# Altium PCB 3-as-manufactured.PcbDoc (part 3 of 16)
Units mil, origin at the board's own origin, x right, y up, seen from the top; angles counter-clockwise.
Board outline 4130.55 x 4250 mil, 8 copper layers (L1_TOP, L2_GND, L3_INT, L4_PWR, L5_PWR, L6_INT, L7_GND, L8_BOT), stack 61 mil thick; 584 components, 489 nets, 2229 pads, 1894 vias.
Unrouted connection lines stored in the file: 4.
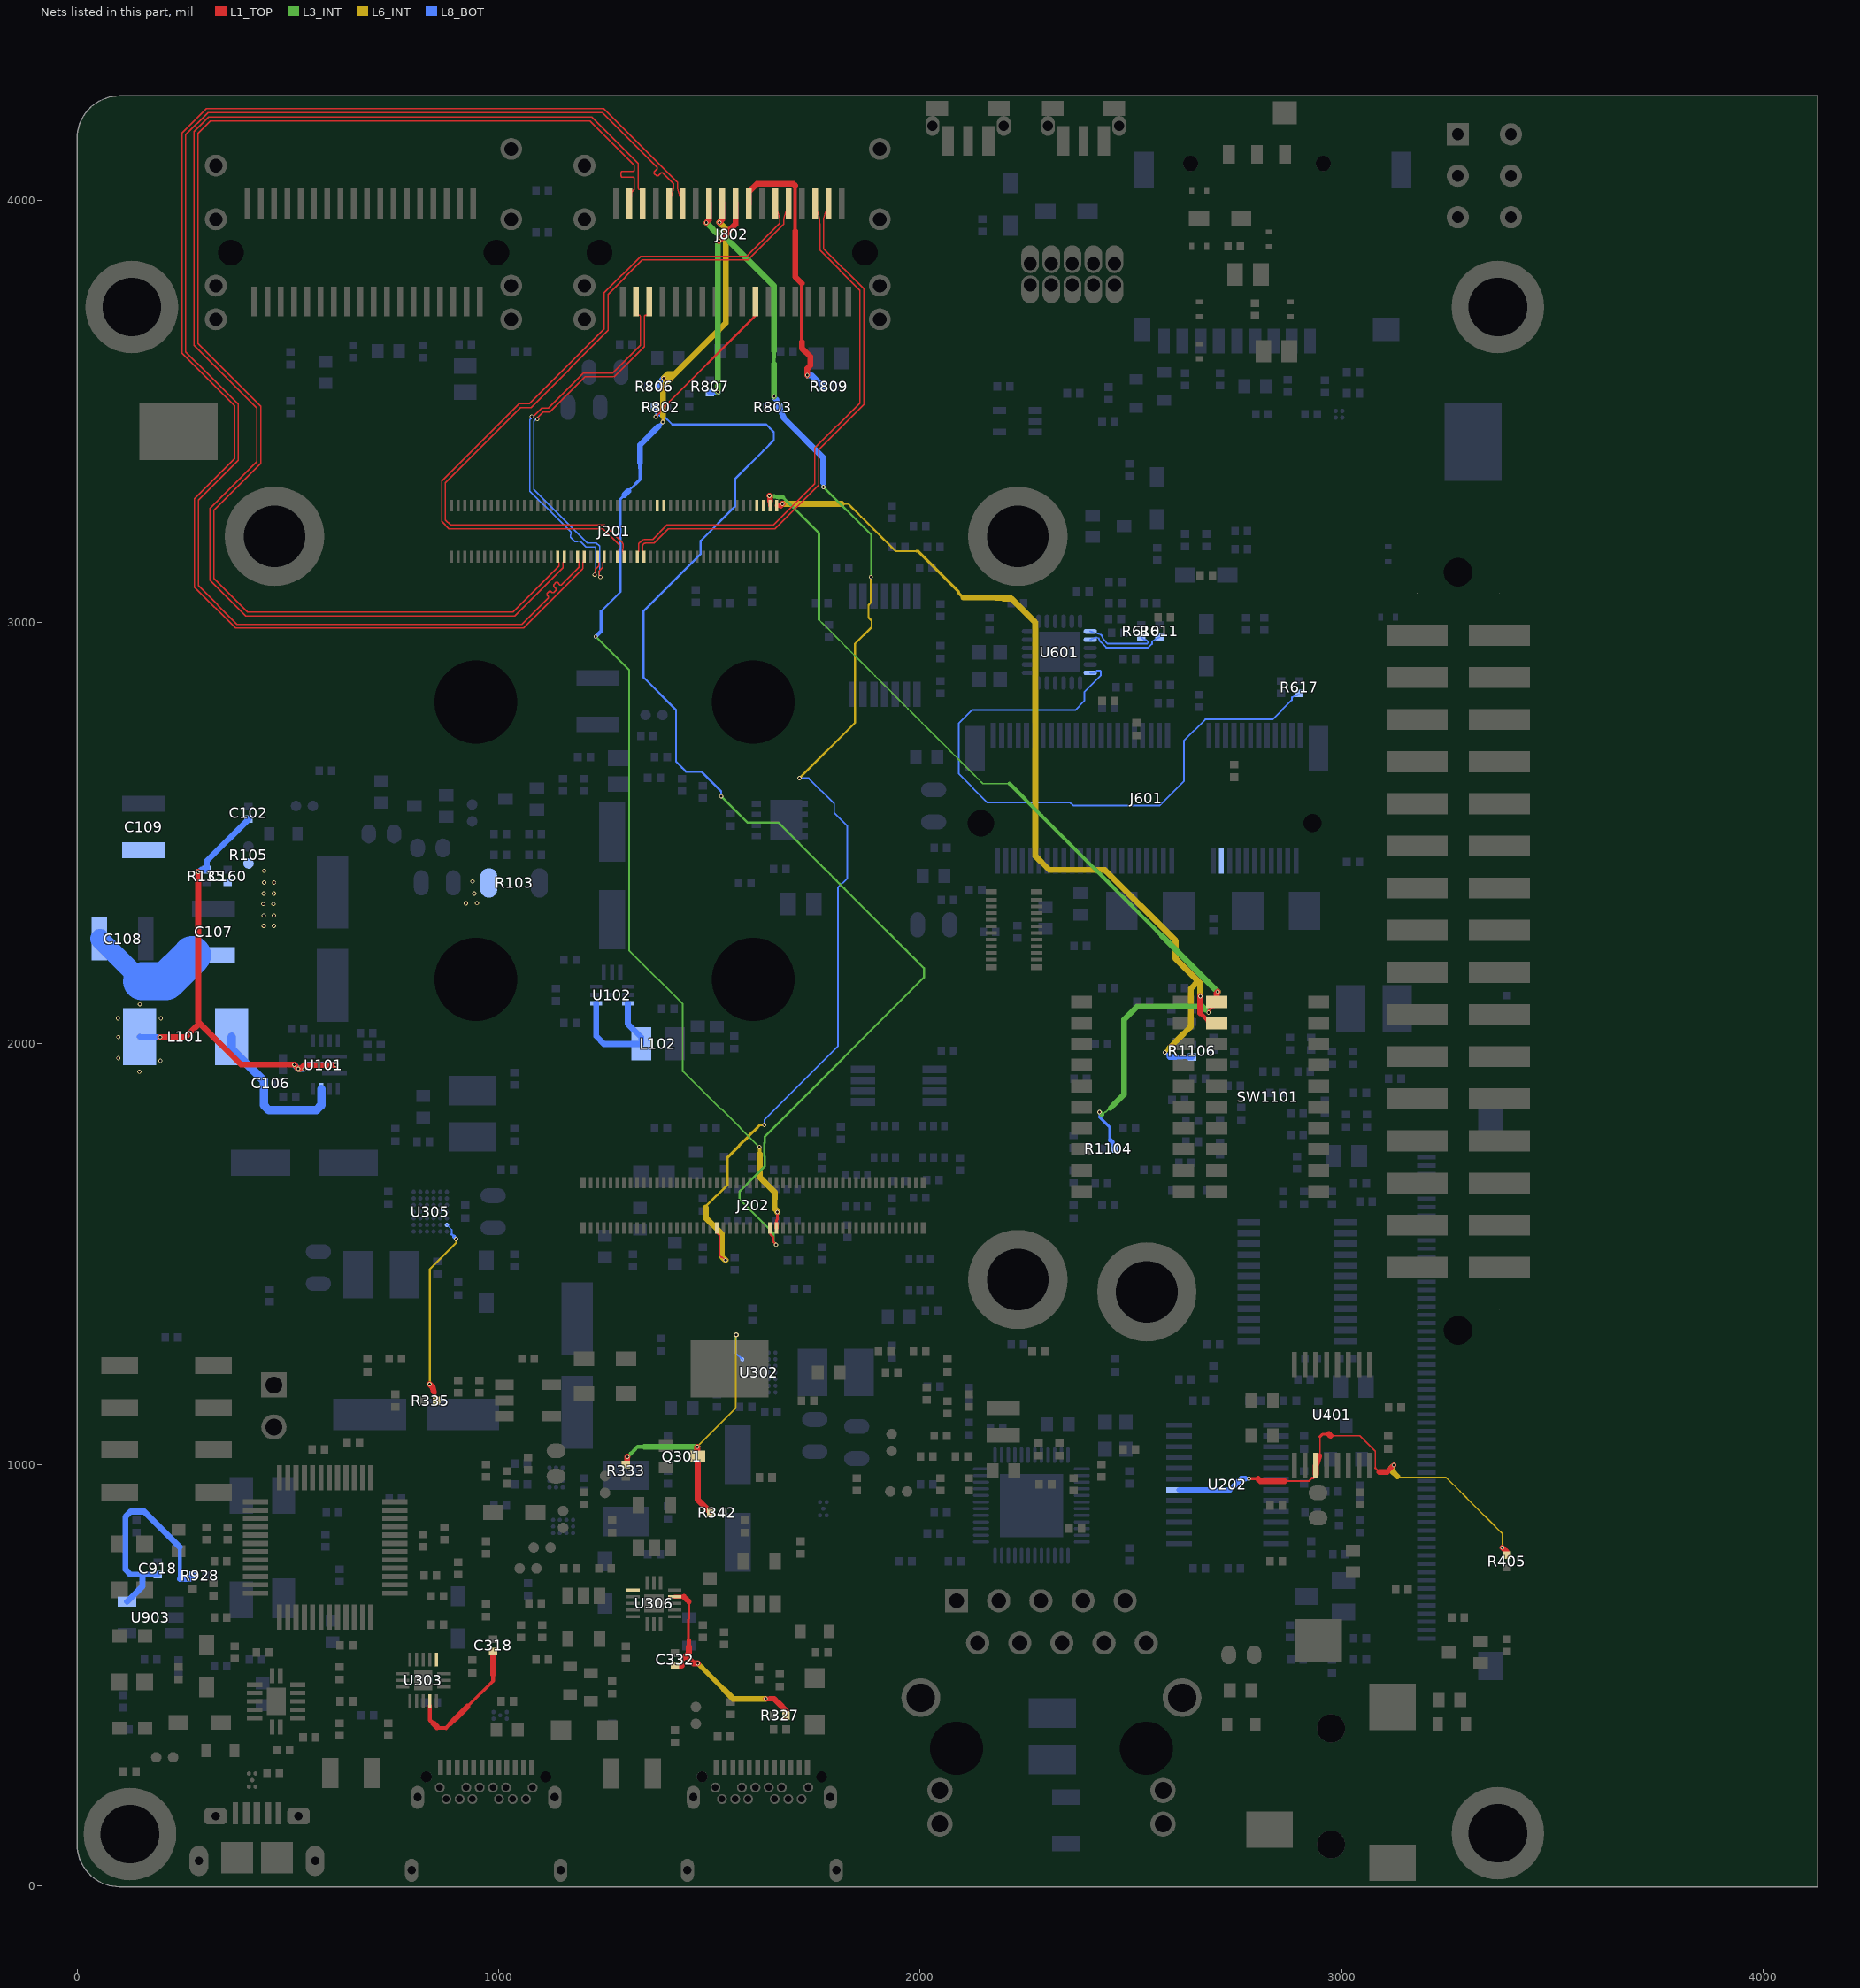
[diagram p9: the nets of this part, all layers, seen from the top]

## Part data (continued)
C301 C321: library part CAP_NP, "CAP CER 4.7UF 50V 10% X7R 1210", EIA Case (Imperial)=1210, IEC Case (Metric)=3225, Manufacturer=MURATA, Manufacturer Part Number=GRM32ER71H475KA88L, Tolerance=10%, Voltage=50V, PCB Footprint=CC1210, RoHS=Yes
  C301: Part Reference=C301
  C321: Part Reference=C321
C311 C327: library part MOT_CAP, "CAP CER 47UF 16V 10% X5R 1210", EIA Case (Imperial)=1210, IEC Case (Metric)=3225, Manufacturer=MURATA, Manufacturer Part Number=GRM32ER61C476KE15L, Tolerance=10%, Voltage=16V, PCB Footprint=CC1210, RoHS=Yes
  C311: Part Reference=C311
  C327: Part Reference=C327
C317 C319 C334 C335 C402 C403: library part CAP_NP, "CAP CER 4.7uF 10V 10% X7S 0603", EIA Case (Imperial)=0603, IEC Case (Metric)=1608, Manufacturer=murata, Manufacturer Part Number=GRM188C71A475KE11D, Tolerance=10%, Voltage=10V, PCB Footprint=0603_CC, RoHS=Yes
  C317: Part Reference=C317
  C319: Part Reference=C319
  C334: Part Reference=C334
  C335: Part Reference=C335
  C402: Part Reference=C402
  C403: Part Reference=C403
C318 C332 C340 C404: library part CAP_NP, "CAP CER 2.2uF 10V 10% X5R 0402", EIA Case (Imperial)=0402, IEC Case (Metric)=1005, Manufacturer=TDK, Manufacturer Part Number=C1005X5R1A225K, Tolerance=10%, Voltage=10V, PCB Footprint=0402_CC, RoHS=Yes
  C318: Part Reference=C318
  C332: Part Reference=C332
  C340: Part Reference=C340
  C404: Part Reference=C404
C339: library part CAP_NP, "CAP CER 1.0UF 35V 10% X5R 0603", EIA Case (Imperial)=0603, IEC Case (Metric)=1608, Manufacturer="Taiyo Yuden", Manufacturer Part Number=GMK107BJ105KA-T, Tolerance=10%, Voltage=35V, Part Reference=C339, PCB Footprint=CC0603_OV, RoHS=Yes
C341 C613 C614: library part CAP_NP, "CAP CER 18PF 50V 1% C0G 0402", EIA Case (Imperial)=0402, IEC Case (Metric)=1005, Manufacturer=YAGEO, Manufacturer Part Number=CC0402FRNPO9BN180, Tolerance=1%, Voltage=50V, PCB Footprint=0402_CC, RoHS=Yes
  C341: ASSY_OPT=DNP, Part Reference=C341
  C613: Part Reference=C613
  C614: Part Reference=C614
C406 C407: library part CAP_NP, "CAP CER 2700pF 50V 5% C0G 0603", EIA Case (Imperial)=0603, IEC Case (Metric)=1608, Manufacturer=KEMET, Manufacturer Part Number=C0603C272J5GACTU, Tolerance=5%, Voltage=50V, PCB Footprint=0603_CC, RoHS=Yes
  C406: Part Reference=C406
  C407: Part Reference=C407
C506: library part CAP_NP, "CAP CER 10uF 25V 20% X5R 0603", EIA Case (Imperial)=0603, IEC Case (Metric)=1608, Manufacturer=Murata, Manufacturer Part Number=GRM188R61E106MA73D, Tolerance=20%, Voltage=25V, Part Reference=C506, PCB Footprint=0603_CC, RoHS=Yes
C508 C618 C623 C906 C912: library part CAP_NP, "CAP CER 10UF 10V 10% X5R 0603", EIA Case (Imperial)=0603, IEC Case (Metric)=1608, Manufacturer=MURATA, Manufacturer Part Number=GRM188R61A106KE69D, Temp_Range="-55¡ãC ~ 85¡ãC", Tolerance=10%, Voltage=10v, PCB Footprint=0603_CC, RoHS=Yes
  C508: Part Reference=C508
  C618: Part Reference=C618
  C623: Part Reference=C623
  C906: Part Reference=C906
  C912: Part Reference=C912
C514 C515 C516: library part CAP_NP, "CAP CER 470PF 50V 10% X7R 0402", EIA Case (Imperial)=0402, IEC Case (Metric)=1005, Manufacturer=MURATA, Manufacturer Part Number=GRM155R71H471KA01D, Tolerance=10%, Voltage=50V, ASSY_OPT=DNP, PCB Footprint=0402_CC, RoHS=Yes, WVDC=50V
  C514: Part Reference=C514
  C515: Part Reference=C515
  C516: Part Reference=C516
C517: library part CAP_NP, "CAP CER 1000PF 2KV 10% X7R 1210", EIA Case (Imperial)=1210, IEC Case (Metric)=3225, Manufacturer=AVX, Manufacturer Part Number=1210GC102KAT1A, Tolerance=10%, Voltage=2KV, Part Reference=C517, PCB Footprint=CC1210, RoHS=Yes, WVDC=2KV
C518 C519: library part CAP_NP, "CAP CER 22PF 50V 5% C0G 0402", EIA Case (Imperial)=0402, IEC Case (Metric)=1005, Manufacturer=AVX, Manufacturer Part Number=04025A220JAT2A, Tolerance=5%, Voltage=50V, PCB Footprint=0402_CC, RoHS=Yes, WVDC=50V
  C518: Part Reference=C518
  C519: Part Reference=C519
C624 C625: library part CAP_POL, "CAP TANT 220UF ESR 1.300 OHM 10V 20% 1210", EIA Case (Imperial)=1411, IEC Case (Metric)=3528, Manufacturer=AVX, Manufacturer Part Number=TLNT227M010R1300, Tolerance=20%, Voltage=10V, PCB Footprint=cc3528-21, RoHS=Yes
  C624: Part Reference=C624
  C625: ASSY_OPT=DNP, Part Reference=C625
C703 C706: library part CAP_NP, "CAP CER 47uF 10V 20% X5R 0805", EIA Case (Imperial)=0805, IEC Case (Metric)=2012, Manufacturer=TDK, Manufacturer Part Number=C2012X5R1A476M125AC, Tolerance=20%, Voltage=10V, PCB Footprint=0805_CC, RoHS=Yes
  C703: Part Reference=C703
  C706: Part Reference=C706
C907 C908: library part CAP_NP, "CAP CER 27PF 16V 5% C0G 0402", EIA Case (Imperial)=0402, IEC Case (Metric)=1005, Manufacturer=AVX, Manufacturer Part Number=0402YA270JAT2A, Tolerance=5%, Voltage=16V, PCB Footprint=0402_CC, RoHS=Yes, WVDC=50V
  C907: Part Reference=C907
  C908: Part Reference=C908
C920: library part CAP_NP, "CAP CER 0.033UF 10V 10% X7R 0402", EIA Case (Imperial)=0402, IEC Case (Metric)=1005, Manufacturer="WALSIN TECHNOLOGY CORP.", Manufacturer Part Number=0402B333K100CT, Part Reference=C920, PCB Footprint=0402_CC, RoHS=Yes
C1001: library part CAP_NP, "CAP CER 10UF 50V 10% X7R 1210", EIA Case (Imperial)=1210, IEC Case (Metric)=3225, Manufacturer=MURATA, Manufacturer Part Number=GRM32ER71H106KA12, Tolerance=10%, Voltage=50V, Part Reference=C1001, PCB Footprint=CC1210, RoHS=Yes
D101: library part ZDIODE, "DIODE ZNR 200mA 2.4V AEC-Q101 SOD-523", Manufacturer=NEXPERIA, Temp_Range="-65 to + 150¡ãC", ASSY_OPT=DNP, Manufacturer Part Number=BZX585-B2V4, Part Reference=D101, PCB Footprint=SOD523, RoHS=Yes
D301 D303: library part DIODE_TVS, "DIODE TVS 20V 400W AEC-Q101 SOD123W", Manufacturer=Nexperia, Manufacturer Part Number=PTVS20VS1UR,115, PCB Footprint=sod123w, RoHS=Yes
  D301: Part Reference=D301
  D303: Part Reference=D303
D308 D309 D310 D311 D312 D313 D601 D602 D603 D709 D907 D908 D909 D910: library part DIODE_SCHTKY, "DIODE SCH PWR RECT LOW VF 1A 20V SOD323", Manufacturer="ON Semiconductor", Manufacturer Part Number=NSR0320MW2T1G, PCB Footprint=SOD323, RoHS=Yes
  D308: Part Reference=D308
  D309: Part Reference=D309
  D310: Part Reference=D310
  D311: Part Reference=D311
  D312: Part Reference=D312
  D313: Part Reference=D313
  D601: Part Reference=D601
  D602: Part Reference=D602
  D603: ASSY_OPT=DNP, Part Reference=D603
  D709: Part Reference=D709
  D907: Part Reference=D907
  D908: Part Reference=D908
  D909: Part Reference=D909
  D910: Part Reference=D910
D702 D703 D704 D705 D706 D707 D1001 D1002: library part DIODE_TVS, "DIODE TVS ESD PROT ULT LOW CAP 5-5.4V SOD-923", Manufacturer="ON SEMICONDUCTOR", ASSY_OPT=DNP, Manufacturer Part Number=ESD9L5.0ST5G, PCB Footprint=sod-923, RoHS=Yes
  D702: Part Reference=D702
  D703: Part Reference=D703
  D704: Part Reference=D704
  D705: Part Reference=D705
  D706: Part Reference=D706
  D707: Part Reference=D707
  D1001: Part Reference=D1001
  D1002: Part Reference=D1002
D708: library part LED, "LED RED SGL 25MA 0603", EIA Case (Imperial)=0603, IEC Case (Metric)=1608, Manufacturer=DIALIGHT, Manufacturer Part Number=598-8010-107F, Part Reference=D708, PCB Footprint=LED_0603, RoHS=Yes
D902 D906: library part LED, "LED GRN SGL 25MA SMT 0603", EIA Case (Imperial)=0603, IEC Case (Metric)=1608, Manufacturer=DIALIGHT, Manufacturer Part Number=598-8070-107F, PCB Footprint=LED_0603, RoHS=Yes
  D902: Part Reference=D902
  D906: Part Reference=D906
D903 D905: library part LED, "LED OR SGL 20MA 0603", EIA Case (Imperial)=0603, IEC Case (Metric)=1608, Manufacturer=KINGBRIGHT, Manufacturer Part Number=APG1608SEKC/T, PCB Footprint=led_0603_11mil, RoHS=Yes
  D903: Part Reference=D903
  D905: Part Reference=D905
F301 F302: library part FUSE, "FUSE HIGH I2T 7A 32V 1206", EIA Case (Imperial)=1307, IEC Case (Metric)=3418, Manufacturer=LITTELFUSE, Manufacturer Part Number=0440007.WR, PCB Footprint=fuse_3p4x1p8, RoHS=Yes
  F301: Part Reference=F301
  F302: Part Reference=F302
J101: library part CONN_HDR_2X1, "HDR 1X2 TH 100MIL SP 339H AU 98L", Manufacturer=SAMTEC, Manufacturer Part Number=TSW-102-07-G-S, ASSY_OPT=DNP, Part Reference=J101, PCB Footprint=HDR102, RoHS=Yes
J201: library part HDR_2X50_M, "CON 2X50 SKT SHRD SMT 0.4MM SP 65H AU", Manufacturer=Hirose, Temp_Range="-35C to +85C", Manufacturer Part Number=DF40C-100DS-0.4V(51), Part Reference=J201, PCB Footprint=con100_0p4_22p8x3p1_sm, RoHS=Yes
J202: library part HDR_2X50_M, "CON 2X50 PLUG SHRD SMT 0.4MM SP 51H AU", Manufacturer=Hirose, Temp_Range="-35 to 85 &#8451;", Manufacturer Part Number=DF40C-100DP-0.4V(51), Part Reference=J202, PCB Footprint=con100_0p4_21p7x2p05_sm, RoHS=Yes
J203: library part CONN_HDR_10X2, "CON 2X10  PLUG SHRD SMT 0.4MM SP 65H AU", Manufacturer=Hirose, Temp_Range="-35C to 85C", Manufacturer Part Number=DF40C-20DP-0.4V(51), Part Reference=J203, PCB Footprint=con20_0p4_5p7x2p05_sm, RoHS=Yes
J301 J302: "USB Type C Receptacle, SMT + PTH, 24-Pos", Manufacturer="Global Connector Technology", Manufacturer Part Number=USB4056-03-A, PCB Footprint=CONN24_4056-03-A_GCT, RoHS=Yes
J401: "3.5 mm, Stereo, Right Angle, Surface Mount _SMT_, Audio Jack Connector", Manufacturer="CUI Devices", Manufacturer Part Number=SJ-3524-SMT-TR-GR, PCB Footprint=CUI_SJ-3524-SMT-GR, RoHS=Yes
J501: library part RJ45_HR851178C, "CON 10 RJ45 SKT RA TH WITH G/Y LEDS 50MIL SP 611H -- 120L", Manufacturer="HanRun Electronics Co., Ltd", Temp_Range="0C to 70C", Manufacturer Part Number=HR851178C, Part Reference=J501, PCB Footprint=con_rj45_10f_100_th_ra, RoHS=Yes
J601: library part CON_67_FEMALE_RA_A, "CON 67 M.2 MINI CARD RA SMT 0P5MM SP 165H AU", Manufacturer="Amphenol Canada Corp", Manufacturer Part Number=MDT420E01001, Temp_Range="-40¡ãC to 80¡ãC", Part Reference=J601, PCB Footprint=con_75_0p5_22x9_ra, RoHS=Yes
J701: library part CONN_MICRO_SDCARD_9P, "CON 9 SD CARD PUSH SMT 1.1MM SP 81H AU", Alt. Manufacturer="SHENZHEN ATOM TECHNOLOGY CO.,LTD", Alt. Manufacturer Part Number=MR01A-01202, Manufacturer="Same Sky / CUI", Manufacturer Part Number=MSD-1-A, Part Reference=J701, PCB Footprint=con9_sdcard_1p1mm, RoHS=Yes
J801 J802: library part CONN_IPASS_36P, "CON 36 MINISAS IPASS 0.8MM SP 800H AU", Manufacturer=MOLEX, Manufacturer Part Number=75784-0160, PCB Footprint=con_36_0p8_th, RoHS=Yes
  J801: Part Reference=J801
  J802: Part Reference=J802
J901: library part MICRO_USB_CONN_11PIN, "CON 1X5 MICROUSB_TYPE_B_FEMALE RA SHLD SMT 0.65MM SP 110H AU", Alt. Manufacturer="SHENZHEN ATOM TECHNOLOGY CO.,LTD", Alt. Manufacturer Part Number=USB205FB-C1013203, Manufacturer=Molex, Manufacturer Part Number=1050171001, Part Reference=J901, PCB Footprint=con_usb_type_b_sm, RoHS=Yes
J902: library part CONN_HDR_5X2, "CONN,HEAD,2X5,STR,50/50 CON-2RH-10-50", Manufacturer=SAMTEC, Manufacturer Part Number=FTS-105-01-F-D, Part Reference=J902, PCB Footprint=CON_2RH_10_50, RoHS=Yes
J1001: library part CON_1X60, "CON 1X60 FPC/FFC RA SMT 0.5MM SP 126H AU", Manufacturer=OMRON, Temp_Range="-30C to +85C", Manufacturer Part Number=XF2M-6015-1AH, Part Reference=J1001, PCB Footprint=con_fpc_60f_0p5_sm_ra, RoHS=Yes
J1003: library part CONN_HDR_20X2, "HDR 2X20 SMT 2.54MM CTR 395H AU", Manufacturer=Samtec, Temp_Range="-55¡ãC ~ 125¡ãC", Manufacturer Part Number=TSM-120-01-F-DV-A, Part Reference=J1003, PCB Footprint=hdr220_tsm_a_sm, RoHS=Yes
J1004: library part CONN_HDR_4X2, "CON 2X4 SKT SMT 2.54MM CTR 300H AU", Manufacturer=SAMTEC, Manufacturer Part Number=SSM-104-L-DV, Part Reference=J1004, PCB Footprint=con_2x4_skt_100_sm, RoHS=Yes
L101: library part INDUCTOR, "IND -- 1.5UH@100KHZ 9A 20% SMT", EIA Case (Imperial)=2726, IEC Case (Metric)=6965, Manufacturer="VISHAY INTERTECHNOLOGY", Manufacturer Part Number=IHLP2525CZER1R5M01, Tolerance=20%, Part Reference=L101, PCB Footprint=IND_IHLP, RoHS=Yes
L102: library part INDUCTOR, "IND PWR 0.47uH@1MHZ 4.7A 20% SMT", Alt. Manufacturer=Murata, Alt. Manufacturer Part Number=DFE252012F-R47M=P2, EIA Case (Imperial)=1008, IEC Case (Metric)=2520, Manufacturer="Shenzhen Sunlord Electronics Co., Ltd", Manufacturer Part Number=WPN252012ER47MT, Temp_Range="-40¡ãC to +125¡ãC", Tolerance=20%, Part Reference=L102, PCB Footprint=ind_sph2520, RoHS=Yes
L401 L501 L503 L601 L602 L901: library part BEAD_0, "IND FER BEAD 120OHM@100MHZ 2A 25% 0603", EIA Case (Imperial)=0603, IEC Case (Metric)=1608, Manufacturer=MURATA, Manufacturer Part Number=BLM18PG121SN1D, Tolerance=25%, PCB Footprint=0603_CC, RoHS=Yes
  L401: Part Reference=L401
  L501: Part Reference=L501
  L503: Part Reference=L503
  L601: Part Reference=L601
  L602: Part Reference=L602
  L901: Part Reference=L901
L502: library part INDUCTOR, "IND PWR 4.7uH@100KHZ 0.84A 20% AUTO SMD", Alt. Manufacturer="Würth Elektronik", Alt. Manufacturer Part Number=78438324047, EIA Case (Imperial)=1008, IEC Case (Metric)=2520, Manufacturer="SHENZHEN SUNLORD ELECTRONICS CO., LTD", Manufacturer Part Number=SWPA252012S4R7MT, Tolerance=20%, Part Reference=L502, PCB Footprint=ind_vls252010, RoHS=Yes
MX1: library part IMX_HSK_ACCESS_C197X364, "i.MX Heatsink Bolt Access Slot Array", PCB Footprint=C197X364
Q101: library part MOSFET_P_5P_SO8, "TRAN PMOS 30V 50A DFN3X3EP", Alt. Manufacturer=Rohm, Alt. Manufacturer Part Number=RQ3E120ATTB, Manufacturer="Alpha and Omega Semiconductor", Manufacturer Part Number=AONR21305C, Part Reference=Q101, PCB Footprint=dfn3p3x3p3_8l_ex, RoHS=Yes
Q102 Q301 Q604 Q903 Q1003: library part NX3008NBKW_SOT323, "TRAN NMOS SW 30V 350mA AEC-Q101 SC-70", Manufacturer=NEXPERIA, Manufacturer Part Number=NX3008NBKW,115, PCB Footprint=sc70_3, RoHS=Yes
  Q102: Part Reference=Q102
  Q301: Part Reference=Q301
  Q604: Part Reference=Q604
  Q903: Part Reference=Q903
  Q1003: Part Reference=Q1003
Q1001: library part MOSFET_P, "TRAN PMOS PWR 3.1A 30V SOT23", Manufacturer="VISHAY INTERTECHNOLOGY", Manufacturer Part Number=SI2343DS-T1-E3, Part Reference=Q1001, PCB Footprint=sot-23, RoHS=Yes
Q1002: library part MOSFET_N, "TRAN NMOS SW 300mA 60V SOT23", Manufacturer=NEXPERIA, Manufacturer Part Number=2N7002,215, Part Reference=Q1002, PCB Footprint=SOT23_A, RoHS=Yes
R101: library part RES, "RES MF 1.4M 1/10W 1% AEC-Q200 0603", EIA Case (Imperial)=0603, IEC Case (Metric)=1608, Manufacturer="KOA SPEER", Manufacturer Part Number=RK73H1JTTD1404F, Temp_Range="-55¡ãC to +155¡ãC", Tolerance=1%, Part Reference=R101, PCB Footprint=RC0603_OV, RoHS=Yes
R102: library part RES, "RES MF 3.3 OHM  1/8W 1% AEC-Q200 0603", EIA Case (Imperial)=0603, IEC Case (Metric)=1608, Manufacturer="KOA SPEER", Manufacturer Part Number=RK73H1JTTD3R30F, Temp_Range="-55¡ãC to +155¡ãC", Tolerance=1%, Part Reference=R102, PCB Footprint=0603_CC, RoHS=Yes
R103: library part RES, "RES MF ZERO OHM 1/4W -- 1206", EIA Case (Imperial)=1206, IEC Case (Metric)=3216, Manufacturer=BOURNS, Manufacturer Part Number=CR1206J/000ELF, Part Reference=R103, PCB Footprint=RC1206_OV, RoHS=Yes
R105: library part RES, "RES MF 43.0K 1/16W 1% 0402", EIA Case (Imperial)=0402, IEC Case (Metric)=1005, Manufacturer="VISHAY INTERTECHNOLOGY", Manufacturer Part Number=CRCW040243K0FKED, Tolerance=1%, Part Reference=R105, PCB Footprint=RC0402_25, RoHS=Yes
R107 R108 R112 R115 R133 R215 R328 R329 R330 R331 R355: library part RES, "RES MF 100K 1/16W 1% 0402", EIA Case (Imperial)=0402, IEC Case (Metric)=1005, Manufacturer="YAGEO AMERICA", Manufacturer Part Number=RC0402FR-07100KL, Tolerance=1%, PCB Footprint=0402_CC, RoHS=Yes
  R107: Part Reference=R107
  R108: ASSY_OPT=DNP, Part Reference=R108
  R112: Part Reference=R112
  R115: Part Reference=R115
  R133: Part Reference=R133
  R215: Part Reference=R215
  R328: Part Reference=R328
  R329: Part Reference=R329
  R330: Part Reference=R330
  R331: Part Reference=R331
  R355: Part Reference=R355
R109: library part RES, "RES MF 5.6K  1/16W 1% 0402", EIA Case (Imperial)=0402, IEC Case (Metric)=1005, Manufacturer="YAGEO AMERICA", Manufacturer Part Number=RC0402FR-075K6L, Temp_Range="-55¡ãC ~ 155¡ãC", Tolerance=1%, Part Reference=R109, PCB Footprint=RC0402_25, RoHS=Yes
R110: library part RES, "RES MF 187K 1/16W 1% 0402", EIA Case (Imperial)=0402, IEC Case (Metric)=1005, Manufacturer="WALSIN TECHNOLOGY CORP.", Manufacturer Part Number=WR04X1873FTL, Temp_Range="-55C to +155C", Tolerance=1%, Part Reference=R110, PCB Footprint=0402_CC, RoHS=Yes
R111: library part RES, "RES MF 41.2K 1/10W 1% AEC-Q200 0402", EIA Case (Imperial)=0402, IEC Case (Metric)=1005, Manufacturer="KOA SPEER", Manufacturer Part Number=RK73H1ETTP4122F, Temp_Range="-55C to +155C", Tolerance=1%, Part Reference=R111, PCB Footprint=RC0402_25, RoHS=Yes
R113 R201 R202 R203 R204 R205 R206 R207 R208 R209 R214 R327 R342 R344 R345 R346 R405 R406 R506 R509 R517 R518 R519 R520 R521 R522 R523 R524 R525 R526 R623 R626 R627 R801 R802 R803 R804 R805 R806 R917 R918 R919 R926 R1031 R1033: library part RES, "RES MF 10K 1/16W 5% 0402", EIA Case (Imperial)=0402, IEC Case (Metric)=1005, Manufacturer="VISHAY INTERTECHNOLOGY", Manufacturer Part Number=CRCW040210K0JNED, Tolerance=5%, PCB Footprint=0402_CC, RoHS=Yes
  R113: Part Reference=R113
  R201: Part Reference=R201
  R202: Part Reference=R202
  R203: Part Reference=R203
  R204: Part Reference=R204
  R205: Part Reference=R205
  R206: Part Reference=R206
  R207: Part Reference=R207
  R208: Part Reference=R208
  R209: Part Reference=R209
  R214: Part Reference=R214
  R327: ASSY_OPT=DNP, Part Reference=R327
  R342: Part Reference=R342
  R344: Part Reference=R344
  R345: Part Reference=R345
  R346: Part Reference=R346
  R405: Part Reference=R405
  R406: Part Reference=R406
  R506: Part Reference=R506
  R509: Part Reference=R509
  R517: Part Reference=R517
  R518: Part Reference=R518
  R519: ASSY_OPT=DNP, Part Reference=R519
  R520: Part Reference=R520
  R521: Part Reference=R521
  R522: Part Reference=R522
  R523: Part Reference=R523
  R524: Part Reference=R524
  R525: Part Reference=R525
  R526: Part Reference=R526
  R623: Part Reference=R623
  R626: ASSY_OPT=DNP, Part Reference=R626
  R627: Part Reference=R627
  R801: Part Reference=R801
  R802: Part Reference=R802
  R803: Part Reference=R803
  R804: Part Reference=R804
  R805: Part Reference=R805
  R806: Part Reference=R806
  R917: ASSY_OPT=DNP, Part Reference=R917
  R918: ASSY_OPT=DNP, Part Reference=R918
  R919: ASSY_OPT=DNP, Part Reference=R919
  R926: Part Reference=R926
  R1031: Part Reference=R1031
  R1033: Part Reference=R1033
R114 R131 R307 R320 R343 R360 R713 R902 R903 R915 R916 R1032: library part RES, "RES MF 1.0K 1/16W 5% 0402", EIA Case (Imperial)=0402, IEC Case (Metric)=1005, Manufacturer="VISHAY INTERTECHNOLOGY", Manufacturer Part Number=CRCW04021K00JNED, Tolerance=5%, PCB Footprint=0402_CC, RoHS=Yes
  R114: ASSY_OPT=DNP, Part Reference=R114
  R131: ASSY_OPT=DNP, Part Reference=R131
  R307: Part Reference=R307
  R320: Part Reference=R320
  R343: Part Reference=R343
  R360: Part Reference=R360
  R713: Part Reference=R713
  R902: Part Reference=R902
  R903: Part Reference=R903
  R915: Part Reference=R915
  R916: Part Reference=R916
  R1032: Part Reference=R1032
R120 R601 R602 R811 R812 R1001 R1034: library part RES, "RES MF ZERO OHM 1/8W -- 0805", EIA Case (Imperial)=0805, IEC Case (Metric)=2012, Manufacturer="YAGEO AMERICA", Manufacturer Part Number=RC0805JR-070RL, Tolerance=5%, RoHS=Yes
  R120: ASSY_OPT=DNP, Part Reference=R120, PCB Footprint=0805_CC
  R601: ASSY_OPT=DNP, Part Reference=R601, PCB Footprint=RC0805_OV
  R602: Part Reference=R602, PCB Footprint=RC0805_OV
  R811: Part Reference=R811, PCB Footprint=RC0805_OV
  R812: ASSY_OPT=DNP, Part Reference=R812, PCB Footprint=RC0805_OV
  R1001: Part Reference=R1001, PCB Footprint=0805_CC
  R1034: ASSY_OPT=DNP, Part Reference=R1034, PCB Footprint=0805_CC
R125 R134 R1029: library part RES, "RES MF 22K 1/16W 5% 0402", EIA Case (Imperial)=0402, IEC Case (Metric)=1005, Manufacturer=SMEC, Manufacturer Part Number=RC73L2Z223JTF, Tolerance=5%, PCB Footprint=0402_CC, RoHS=Yes
  R125: Part Reference=R125
  R134: Part Reference=R134
  R1029: Part Reference=R1029
R129 R924 R1101 R1103 R1105 R1107 R1109 R1111 R1113 R1115 R1117 R1119 R1121 R1123 R1125 R1127 R1129 R1131 R1133 R1135 R1137 R1138: library part RES, "RES MF 4.7K OHM 1/16W 1% 0402", EIA Case (Imperial)=0402, IEC Case (Metric)=1005, Manufacturer=yageo, Manufacturer Part Number=RC0402FR-074K7L, Tolerance=1%, PCB Footprint=0402_CC, RoHS=Yes
  R129: Part Reference=R129
  R924: Part Reference=R924
  R1101: Part Reference=R1101
  R1103: Part Reference=R1103
  R1105: Part Reference=R1105
  R1107: Part Reference=R1107
  R1109: Part Reference=R1109
  R1111: Part Reference=R1111
  R1113: Part Reference=R1113
  R1115: Part Reference=R1115
  R1117: Part Reference=R1117
  R1119: Part Reference=R1119
  R1121: Part Reference=R1121
  R1123: Part Reference=R1123
  R1125: Part Reference=R1125
  R1127: Part Reference=R1127
  R1129: Part Reference=R1129
  R1131: Part Reference=R1131
  R1133: Part Reference=R1133
  R1135: Part Reference=R1135
  R1137: Part Reference=R1137
  R1138: Part Reference=R1138
R135: library part RES, "RES MF 499K 1/10W 1% AEC-Q200 0402", EIA Case (Imperial)=0402, IEC Case (Metric)=1005, Manufacturer="KOA SPEER", Manufacturer Part Number=RK73H1ETTP4993F, Temp_Range="-55C to +155C", Tolerance=1%, ASSY_OPT=DNP, Part Reference=R135, PCB Footprint=0402_CC, RoHS=Yes
R136: library part RES, "RES MF 499 OHM 1/16W 1% 0402", EIA Case (Imperial)=0402, IEC Case (Metric)=1005, Manufacturer=ROHM, Manufacturer Part Number=MCR01MZPF4990, Tolerance=1%, ASSY_OPT=DNP, Part Reference=R136, PCB Footprint=0402_CC, RoHS=Yes
R137: library part RES, "RES MF 1.5M 1/8W 1% 0805", EIA Case (Imperial)=0805, IEC Case (Metric)=2012, Manufacturer="YAGEO AMERICA", Manufacturer Part Number=RC0805FR-071M5L, Temp_Range="-55¡ãC ~ 155¡ãC", Tolerance=1%, Part Reference=R137, PCB Footprint=RC0805_OV, RoHS=Yes
R138: library part RES, "RES MF 1.2M 1/10W 1% AEC-Q200 0603", EIA Case (Imperial)=0603, IEC Case (Metric)=1608, Manufacturer="KOA SPEER", Manufacturer Part Number=RK73H1JTTD1204F, Temp_Range="-55¡ãC to +155¡ãC", Tolerance=1%, Part Reference=R138, PCB Footprint=RC0603_OV, RoHS=Yes
R139: library part RES, "RES MF 118K  1/16W 1% 0402", EIA Case (Imperial)=0402, IEC Case (Metric)=1005, Manufacturer="YAGEO AMERICA", Manufacturer Part Number=RC0402FR-07118KL, Temp_Range="-55¡ãC ~ 155¡ãC", Tolerance=1%, Part Reference=R139, PCB Footprint=RC0402_25, RoHS=Yes
R140 R210 R211 R212 R213 R216 R217 R218 R219 R302 R303 R305 R308 R309 R310 R311 R312 R332 R334 R335 R336 R337 R338 R339 R340 R341 R349 R350 R353 R354 R401 R402 R501 R502 R503 R511 R512 R536 R537 R538 R539 R540 R541 R542 R543 R544 R603 R604 R610 R611 R612 R613 R614 R615 R616 R617 R618 R619 R620 R624 R625 R629 R630 R631 R632 R702 R704 R705 R707 R708 R709 R807 R808 R809 R810 R908 R909 R910 R911 R921 R922 R923 R927 R928 R1003 R1004 R1005 R1006 R1009 R1010 R1011 R1012 R1013 R1014 R1015 R1016 R1017 R1018 R1019 R1020 R1021 R1022 R1023 R1024 R1025 R1026 R1027 R1028: library part RES, "RES MF ZERO OHM 1/16W 5% 0402", EIA Case (Imperial)=0402, IEC Case (Metric)=1005, Manufacturer=ROHM, Manufacturer Part Number=MCR01MZPJ000, Tolerance=5%, PCB Footprint=0402_CC, RoHS=Yes
  R140: Part Reference=R140
  R210: ASSY_OPT=DNP, Part Reference=R210
  R211: Part Reference=R211
  R212: Part Reference=R212
  R213: Part Reference=R213
  R216: Part Reference=R216
  R217: Part Reference=R217
  R218: ASSY_OPT=DNP, Part Reference=R218
  R219: ASSY_OPT=DNP, Part Reference=R219
  R302: Part Reference=R302
  R303: Part Reference=R303
  R305: Part Reference=R305
  R308: Part Reference=R308
  R309: Part Reference=R309
  R310: Part Reference=R310
  R311: Part Reference=R311
  R312: Part Reference=R312
  R332: Part Reference=R332
  R334: Part Reference=R334
  R335: Part Reference=R335
  R336: ASSY_OPT=DNP, Part Reference=R336
  R337: ASSY_OPT=DNP, Part Reference=R337
  R338: ASSY_OPT=DNP, Part Reference=R338
  R339: ASSY_OPT=DNP, Part Reference=R339
  R340: Part Reference=R340
  R341: Part Reference=R341
  R349: Part Reference=R349
  R350: Part Reference=R350
  R353: Part Reference=R353
  R354: Part Reference=R354
  R401: Part Reference=R401
  R402: Part Reference=R402
  R501: ASSY_OPT=DNP, Part Reference=R501
  R502: Part Reference=R502
  R503: ASSY_OPT=DNP, Part Reference=R503
  R511: ASSY_OPT=DNP, Part Reference=R511
  R512: ASSY_OPT=DNP, Part Reference=R512
  R536: Part Reference=R536
  R537: Part Reference=R537
  R538: Part Reference=R538
  R539: Part Reference=R539
  R540: Part Reference=R540
  R541: Part Reference=R541
  R542: Part Reference=R542
  R543: Part Reference=R543
  R544: Part Reference=R544
  R603: ASSY_OPT=DNP, Part Reference=R603
  R604: Part Reference=R604
  R610: Part Reference=R610
  R611: Part Reference=R611
  R612: Part Reference=R612
  R613: Part Reference=R613
  R614: ASSY_OPT=DNP, Part Reference=R614
  R615: ASSY_OPT=DNP, Part Reference=R615
  R616: Part Reference=R616
  R617: Part Reference=R617
  R618: Part Reference=R618
  R619: Part Reference=R619
  R620: Part Reference=R620
  R624: ASSY_OPT=DNP, Part Reference=R624
  R625: Part Reference=R625
  R629: Part Reference=R629
  R630: Part Reference=R630
  R631: Part Reference=R631
  R632: Part Reference=R632
  R702: Part Reference=R702
  R704: Part Reference=R704
  R705: Part Reference=R705
  R707: Part Reference=R707
  R708: Part Reference=R708
  R709: Part Reference=R709
  R807: Part Reference=R807
  R808: Part Reference=R808
  R809: Part Reference=R809
  R810: Part Reference=R810
  R908: Part Reference=R908
  R909: Part Reference=R909
  R910: Part Reference=R910
  R911: Part Reference=R911
  R921: ASSY_OPT=DNP, Part Reference=R921
  R922: Part Reference=R922
  R923: ASSY_OPT=DNP, Part Reference=R923
  R927: ASSY_OPT=DNP, Part Reference=R927
  R928: Part Reference=R928
  R1003: Part Reference=R1003
  R1004: ASSY_OPT=DNP, Part Reference=R1004
  R1005: ASSY_OPT=DNP, Part Reference=R1005
  R1006: Part Reference=R1006
  R1009: Part Reference=R1009
  R1010: Part Reference=R1010
  R1011: Part Reference=R1011
  R1012: Part Reference=R1012
  R1013: Part Reference=R1013
  R1014: Part Reference=R1014
  R1015: Part Reference=R1015
  R1016: Part Reference=R1016
  R1017: Part Reference=R1017
  R1018: Part Reference=R1018
  R1019: Part Reference=R1019
  R1020: Part Reference=R1020
  R1021: Part Reference=R1021
  R1022: Part Reference=R1022
  R1023: Part Reference=R1023
  R1024: Part Reference=R1024
  R1025: Part Reference=R1025
  R1026: Part Reference=R1026
  R1027: ASSY_OPT=DNP, Part Reference=R1027
  R1028: ASSY_OPT=DNP, Part Reference=R1028
R301 R361: library part RES, "RES MF 47K 1/16W 5% 0402", EIA Case (Imperial)=0402, IEC Case (Metric)=1005, Manufacturer="NIC COMPONENTS CORP", Manufacturer Part Number=NRCL04J473TRF, Tolerance=5%, RoHS=Yes
  R301: Part Reference=R301, PCB Footprint=0402_CC
  R361: Part Reference=R361, PCB Footprint=RC0402_25
R304 R318: library part RES, "RES MF 1.2M  1/10W 1% AEC-Q200 0402", EIA Case (Imperial)=0402, IEC Case (Metric)=1005, Manufacturer="KOA SPEER", Manufacturer Part Number=RK73H1ETTP1204F, Temp_Range="-55C to +155C", Tolerance=1%, PCB Footprint=0402_CC, RoHS=Yes
  R304: Part Reference=R304
  R318: Part Reference=R318
R306 R319 R333: library part RES, "RES MF 1M 1/16W 1% 0402", EIA Case (Imperial)=0402, IEC Case (Metric)=1005, Manufacturer=BOURNS, Manufacturer Part Number=CR0402-FX-1004GLF, Tolerance=1%, PCB Footprint=0402_CC, RoHS=Yes
  R306: Part Reference=R306
  R319: Part Reference=R319
  R333: Part Reference=R333
R313 R314 R321 R322: library part RES, "RES MF 249K 1/10W 1% AEC-Q200 0402", EIA Case (Imperial)=0402, IEC Case (Metric)=1005, Manufacturer="KOA SPEER", Manufacturer Part Number=RK73H1ETTP2493F, Temp_Range="-55C to +155C", Tolerance=1%, PCB Footprint=0402_CC, RoHS=Yes
  R313: Part Reference=R313
  R314: Part Reference=R314
  R321: Part Reference=R321
  R322: Part Reference=R322
R315 R316 R323 R325: library part RES, "RES MF ZERO OHM JUMPER 1/2W AEC-Q200 0805", EIA Case (Imperial)=0805, IEC Case (Metric)=2012, Manufacturer="VISHAY INTERTECHNOLOGY", Manufacturer Part Number=CRCW08050000Z0EAHP, Temp_Range="-55 ¡ãC to +155 ¡ãC", PCB Footprint=RC0805_OV, RoHS=Yes
  R315: ASSY_OPT=DNP, Part Reference=R315
  R316: ASSY_OPT=DNP, Part Reference=R316
  R323: Part Reference=R323
  R325: Part Reference=R325
R356: library part RES, "RES MF 174K 1/16W 1% 0402", EIA Case (Imperial)=0402, IEC Case (Metric)=1005, Manufacturer=PANASONIC, Manufacturer Part Number=ERJ-2RKF1743X, Tolerance=1%, Part Reference=R356, PCB Footprint=RC0402_25, RoHS=Yes
R357 R359: library part RES, "RES MF 24.9K  1/16W 1% 0402", EIA Case (Imperial)=0402, IEC Case (Metric)=1005, Manufacturer="YAGEO AMERICA", Manufacturer Part Number=RC0402FR-0724K9L, Temp_Range="-55¡ãC ~ 155¡ãC", Tolerance=1%, PCB Footprint=RC0402_25, RoHS=Yes
  R357: Part Reference=R357
  R359: Part Reference=R359
R358 R930: library part RES, "RES MF 120K 1/10W 1% AEC-Q200 0402", EIA Case (Imperial)=0402, IEC Case (Metric)=1005, Manufacturer="KOA SPEER", Manufacturer Part Number=RK73H1ETTP1203F, Temp_Range="-55C to +155C", Tolerance=1%, PCB Footprint=RC0402_25, RoHS=Yes
  R358: Part Reference=R358
  R930: Part Reference=R930
R403 R404: library part RES, "RES MF 510 OHM 1/10W 1% 0603", EIA Case (Imperial)=0603, IEC Case (Metric)=1608, Manufacturer=BOURNS, Manufacturer Part Number=CR0603-FX-5100ELF, Tolerance=1%, PCB Footprint=RC0603_OV, RoHS=Yes
  R403: Part Reference=R403
  R404: Part Reference=R404
R508 R527 R528: library part RES, "RES MF 1.5K 1/16W 1% 0402", EIA Case (Imperial)=0402, IEC Case (Metric)=1005, Manufacturer=BOURNS, Manufacturer Part Number=CR0402-FX-1501GLF, Tolerance=1%, ASSY_NOTE=470-76065, PCB Footprint=0402_CC, RoHS=Yes
  R508: Part Reference=R508
  R527: Part Reference=R527
  R528: Part Reference=R528
R510 R513: library part RES, "RES MF 270 OHM 1/16W 5% 0402", EIA Case (Imperial)=0402, IEC Case (Metric)=1005, Manufacturer="VISHAY INTERTECHNOLOGY", Manufacturer Part Number=CRCW0402270RJNED, Tolerance=5%, PCB Footprint=RC0402_25, RoHS=Yes
  R510: Part Reference=R510
  R513: Part Reference=R513
R514: library part RES, "RES MF 1.0M 1/4W 1% 1206", EIA Case (Imperial)=1206, IEC Case (Metric)=3216, Manufacturer="VISHAY INTERTECHNOLOGY", Manufacturer Part Number=RCV12061M00FKEA, Tolerance=1%, Part Reference=R514, PCB Footprint=1206_CC, RoHS=Yes
R515: library part RES, "RES MF 2.37K  1/16W 1% 0402", EIA Case (Imperial)=0402, IEC Case (Metric)=1005, Manufacturer="YAGEO AMERICA", Manufacturer Part Number=RC0402FR-072K37L, Temp_Range="-55¡ãC ~ 155¡ãC", Tolerance=1%, Part Reference=R515, PCB Footprint=0402_CC, RoHS=Yes
R621 R622: library part RES, "RES MF 49.9 OHM 1/16W 1% 0402", EIA Case (Imperial)=0402, IEC Case (Metric)=1005, Manufacturer=BOURNS, Manufacturer Part Number=CR0402-FX-49R9GLF, Tolerance=1%, ASSY_OPT=DNP, PCB Footprint=0402_CC, RoHS=Yes
  R621: Part Reference=R621
  R622: Part Reference=R622
R714 R1030: library part RES, "RES MF 47 OHM 1/16W 5% 0402", EIA Case (Imperial)=0402, IEC Case (Metric)=1005, Manufacturer=SMEC, Manufacturer Part Number=RC73L2Z470JTF, Tolerance=5%, PCB Footprint=0402_CC, RoHS=Yes
  R714: Part Reference=R714
  R1030: Part Reference=R1030
R904: library part RES, "RES TF 470 1/16W 5% RC0402", EIA Case (Imperial)=0402, IEC Case (Metric)=1005, Manufacturer=BOURNS, Manufacturer Part Number=CR0402JW471GLF, Tolerance=5%, Part Reference=R904, PCB Footprint=0402_CC, RoHS=Yes
R920: library part RES, "RES MF 100 OHM 1/16W 1% 0402", EIA Case (Imperial)=0402, IEC Case (Metric)=1005, Manufacturer="THYE MING TECH CO LTD", Manufacturer Part Number=CR-02FL6--100R, Tolerance=1%, Part Reference=R920, PCB Footprint=0402_CC, RoHS=Yes
R925: library part RES, "RES MF 1.50K 1/16W 1% 0402", EIA Case (Imperial)=0402, IEC Case (Metric)=1005, Manufacturer="WALSIN TECHNOLOGY CORP.", Manufacturer Part Number=WR04X1501FTL, Tolerance=1%, Part Reference=R925, PCB Footprint=0402_CC, RoHS=Yes
R929 R1102 R1104 R1106 R1108 R1110 R1112 R1114 R1116 R1118 R1120 R1122 R1124 R1126 R1128 R1130 R1132 R1134 R1136 R1139 R1140: library part RES, "RES MF 100K 1/16W 5% 0402", EIA Case (Imperial)=0402, IEC Case (Metric)=1005, Manufacturer="VENKEL COMPANY", Manufacturer Part Number=CR0402-16W-104JT, Temp_Range="-55C to +155C", Tolerance=5%, PCB Footprint=0402_CC, RoHS=Yes
  R929: Part Reference=R929
  R1102: Part Reference=R1102
  R1104: Part Reference=R1104
  R1106: Part Reference=R1106
  R1108: Part Reference=R1108
  R1110: Part Reference=R1110
  R1112: Part Reference=R1112
  R1114: Part Reference=R1114
  R1116: Part Reference=R1116
  R1118: Part Reference=R1118
  R1120: Part Reference=R1120
  R1122: Part Reference=R1122
  R1124: Part Reference=R1124
  R1126: Part Reference=R1126
  R1128: Part Reference=R1128
  R1130: Part Reference=R1130
  R1132: Part Reference=R1132
  R1134: Part Reference=R1134
  R1136: Part Reference=R1136
  R1139: Part Reference=R1139
  R1140: Part Reference=R1140
SW101: library part SW_DPDT_3, "SW DPDT SLD 0.03A 50V TH", Alt. Manufacturer="FODOT ELECTRONICS CO.,LTD.", Alt. Manufacturer Part Number=M096H-A020RT21A, Manufacturer=E-Switch, Manufacturer Part Number=EG1271, Part Reference=SW101, PCB Footprint=sw6_dpdt_m096h_th, RoHS=Yes
SW901 SW902: library part PTS845VM20PSMTR4_LFS, "C&K Littelfuse SPST Tact Switch R/A", CLASS=IC
SW1101 SW1102: library part SW_DIP-10, "SW SPST 10P DIP SLIDE 25MA 24V SMT", Manufacturer=Grayhill, Temp_Range="-40 to +85C", Manufacturer Part Number=97C10ST, PCB Footprint=sw_dip10_sm, RoHS=Yes
  SW1101: Part Reference=SW1101
  SW1102: Part Reference=SW1102
TP1201 TP1202 TP1203: "TEST POINT PAD SIZE 4.7MM X 3.5MM SN", Manufacturer="KEYSTONE ELECTRONICS", Manufacturer Part Number=5016, PCB Footprint=TEST_PIN_TP107, RoHS=Yes
  TP1201: Part Reference=TP1201
  TP1202: Part Reference=TP1202
  TP1203: Part Reference=TP1203
TVS303 TVS304 TVS307 TVS308 TVS401 TVS402 TVS701 TVS702 TVS901: library part DIODE_TVS_BIDIR, "DIODE SUPPRESSOR 16A@30NS 5V@1UA SOD-523", Manufacturer="on semiconductor", Manufacturer Part Number=ESD5B5.0ST1G, PCB Footprint=diode2_sod523, RoHS=Yes
  TVS303: ASSY_OPT=DNP, Part Reference=TVS303
  TVS304: ASSY_OPT=DNP, Part Reference=TVS304
  TVS307: ASSY_OPT=DNP, Part Reference=TVS307
  TVS308: ASSY_OPT=DNP, Part Reference=TVS308
  TVS401: Part Reference=TVS401
  TVS402: Part Reference=TVS402
  TVS701: Part Reference=TVS701
  TVS702: Part Reference=TVS702
  TVS901: Part Reference=TVS901
U101: library part MP8759GD_QFN12P, "IC VREG SYNC STEP DOWN DCDC ADJ 8A 4.5-26V QFN12", Manufacturer="MONOLITHIC POWER SYSTEMS", Temp_Range="-40¡ãC to 125¡ãC", Manufacturer Part Number=MP8759GD, Part Reference=U101, PCB Footprint=qfn12_0p5_3p1x2p1, RoHS=Yes
U102: library part MP2147GD_QFN_11P, "IC VREG BUCK 0.6V-5.5V 4A 2.8--5.5V QFN12", Manufacturer="MONOLITHIC POWER SYSTEMS", Manufacturer Part Number=MP2147GD, Part Reference=U102, PCB Footprint=qfn12_0p5_2x3mm_ep, RoHS=Yes
U201: library part PCA6416APW_TSSOP24, "IC I/O EXPANDER 16-BIT I2C SMBUS 1.65-5.5V TSSOP24", Manufacturer="NXP SEMICONDUCTORS", Manufacturer Part Number=PCA6416APW,118, Temp_Range="-40¡ãC to +85¡ãC", Part Reference=U201, PCB Footprint=tssop24_0p65_7p9x4p5, RoHS=Yes
U202: library part SN74AVC8T245, "IC VXLTR 8BIT TS 1.2-3.6V TSSOP-24", Manufacturer=NEXPERIA, Manufacturer Part Number=74AVC8T245PW,118, Part Reference=U202, PCB Footprint=TSSOP24_65MM, RoHS=Yes
U203: library part NTS0104PW_14P, "IC VXLTR XCVR 4CH 1.65-3.6V/2.3-5.5V TSSOP14", Manufacturer="NXP SEMICONDUCTORS", Manufacturer Part Number=NTS0104PW,118, Part Reference=U203, PCB Footprint=tssop14, RoHS=Yes
U204: library part 1G125, "IC BUFFER/LINE DRIVER 3STATE 0.8-3.6V SC70-5", Manufacturer=NEXPERIA, Manufacturer Part Number=74AUP1G125GW,125, Part Reference=U204, PCB Footprint=SC70-5, RoHS=Yes
U301 U304: "IC COMP MICRO POWER RAIL TO RAIL INPUT 1.4-5.5V SOT23-5", Alt. Manufacturer="On Semi", Alt. Manufacturer Part Number=NCS2202SN2T1G, Manufacturer="SG Micro Corp", Manufacturer Part Number=SGM8709YN5G/TR, Temp_Range="-40C to +85C", PCB Footprint=SOT-23-5, RoHS=Yes
  U301: Part Reference=U301
  U304: Part Reference=U304
U302 U305: library part NX20P3483UK_42P, "IC USB PD/TYPE-C PWR Sink/Source Combo SW 5A 2.8-20V WLCSP42", Manufacturer="NXP SEMICONDUCTORS", Temp_Range="-40C to +85C", Manufacturer Part Number=NX20P3483UK, PCB Footprint=wlcsp42_0p4_2p94x2p54_smdp, RoHS=Yes
  U302: Part Reference=U302
  U305: Part Reference=U305
U303 U306: library part PTN5110_QFN16, "IC USB PD PHY 1PORT 2.7-5.5V HX2QFN16", Manufacturer="NXP SEMICONDUCTORS", Manufacturer Part Number=PTN5110NHQZ, Temp_Range="¨C40C to +85C", PCB Footprint=hx2qfn16_0p4_2p7x2p7, RoHS=Yes
  U303: Part Reference=U303
  U306: Part Reference=U306